# Altium PCB 外设连接基座PCB图3_.PcbDoc (part 2 of 2)
Units mm, origin at the board's own origin, x right, y up, seen from the top; angles counter-clockwise.
Board outline 24.71 x 45.42 mm, 4 copper layers (Top Layer, PWR, GND, Bottom Layer), stack 0.603 mm thick; 61 components, 77 nets, 305 pads, 147 vias.
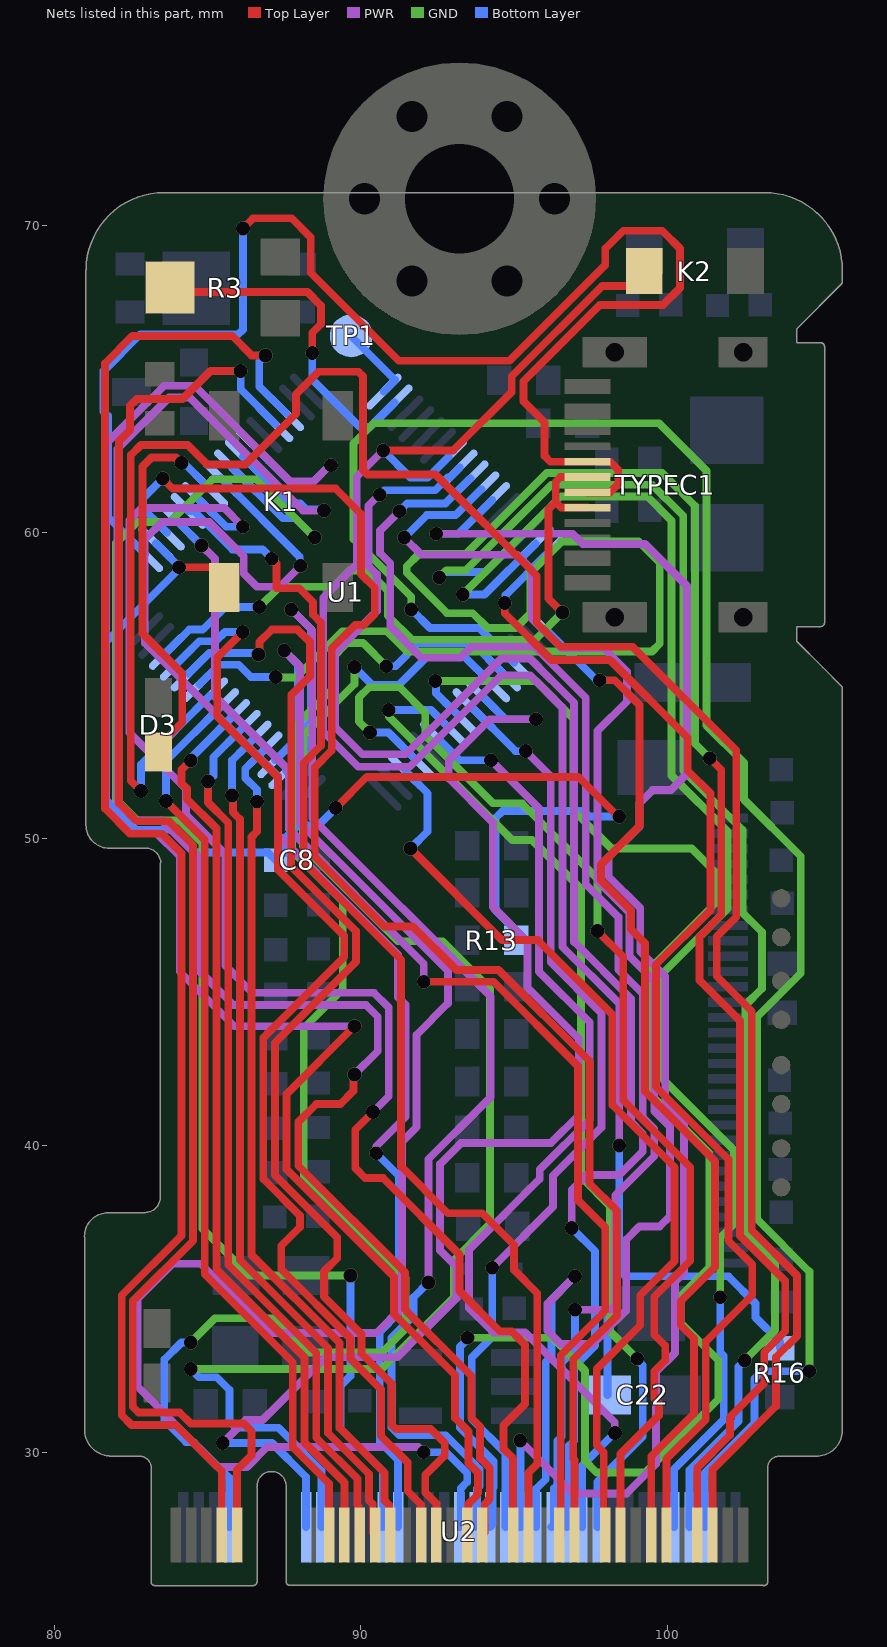
[diagram p4: the nets of this part, all layers, seen from the top]

## Via types
v1: diameter 0.45, hole 0.45, Top Layer to Bottom Layer, tented both sides, 145 vias
v2: diameter 0.65, hole 0.65, Top Layer to Bottom Layer, tented both sides, 2 vias

## Nets (pads, with @x,y where several pads share a name; then routed paths per layer and width w, separated by ;. In a path a pad name is that pad's centre, name@x,y a point inside that pad or via, vN(x,y) a via of type N, cw(c..) or ccw(c..) an arc to the next point about the centre after c; other vN are vias at no path point) (continued)
PA0: U1.14 U2.8 | length 48.8
  GND w0.254: v1(92.558,58.522) 92.786,58.75 93.421,58.75 96.215,61.544 99.492,61.544 100.508,60.528 100.508,52.222 102.438,50.292 102.438,47.6 103.073,46.965 103.073,45.114 102.54,44.58 102.54,37.211 103.505,36.246 103.505,33.985 v1(102.514,32.995)
  Bottom Layer w0.254: v1(92.558,58.522) 92.735,58.699 94.059,58.699 U1.14@95.343,59.983 ; U2.8@100.714,27.559 100.714,29.417 102.311,31.014 102.311,32.791 v1(102.514,32.995)
PA1: U1.15 U2.10 | length 47.8
  GND w0.254: v1(93.32,57.963) 96.52,61.163 99.334,61.163 100.127,60.37 100.127,52.065 101.956,50.236 101.956,47.727 99.873,45.644 99.873,42.139 102.159,39.853 102.159,37.44 101.714,36.995 v1(101.714,35.052)
  Bottom Layer w0.254: v1(93.32,57.963) 94.03,57.963 U1.15@95.697,59.63 ; U2.10@100.214,27.559 100.214,29.456 101.829,31.07 101.829,33.147 101.714,33.262 v1(101.714,35.052)
PA2: U1.16 U2.11 | length 39.6
  Top Layer w0.254: v1(94.691,57.683) 94.691,57.353 96.215,55.829 98.12,55.829 100.66,53.289 100.66,52.222 101.397,51.486 101.397,47.67 99.619,45.892 99.619,41.915 101.981,39.553 101.981,36.901 102.759,36.123 102.759,35.121 101.244,33.606 101.244,31.064 99.964,29.784 U2.11@99.964,27.305
  Bottom Layer w0.254: v1(94.691,57.683) 94.719,57.711 94.719,57.945 U1.16@96.05,59.276
PA3: U1.17 U2.13 | length 34.4
  Top Layer w0.254: v1(97.79,55.169) 98.278,55.169 99.085,54.361 99.085,50.419 97.828,49.162 97.828,48.649 98.806,47.671 98.806,47.05 99.263,46.593 99.263,41.768 101.549,39.482 101.549,36.043 100.432,34.925 100.432,34.138 100.863,33.706 100.863,31.267 99.464,29.868 U2.13@99.464,27.305
  Bottom Layer w0.254: U1.17@96.05,56.802 97.655,55.197 97.762,55.197 v1(97.79,55.169)
PA4: U1.20 U2.6 | length 62
  GND w0.254: v1(91.643,57.48) 91.643,57.887 89.764,59.766 89.764,62.89 90.424,63.551 99.72,63.551 101.27,62.001 101.27,53.696 102.489,52.476 102.489,51.283 104.343,49.428 104.343,45.622 102.921,44.199 102.921,37.592 104.623,35.89 v1(104.623,32.639)
  Bottom Layer w0.254: v1(91.643,57.48) 92.253,56.871 93.86,56.871 U1.20@94.99,55.741 ; U2.6@101.214,27.559 101.214,29.332 102.831,30.949 102.831,32.397 103.073,32.639 v1(104.623,32.639)
PA5: U1.21 U2.68 | length 47.5
  GND w0.254: v1(84.455,33.579) 85.242,34.366 87.224,34.366 88.341,33.249 90.678,33.249 91.465,34.036 91.465,35.692 88.138,39.02 88.138,43.828 89.408,45.098 89.408,47.96 87.757,49.611 87.757,53.569 89.052,54.864 89.052,55.88 89.56,56.388 90.068,56.388 v1(90.83,55.626)
  Bottom Layer w0.254: v1(84.455,33.579) 84.15,33.579 83.591,33.02 83.591,31.039 84.303,30.328 84.557,30.328 85.714,29.17 U2.68@85.714,27.559 ; v1(90.83,55.626) 91.13,55.626 91.892,56.388 93.636,56.388 U1.21@94.636,55.388
PA6: U1.22 U2.56 | length 48.3
  GND w0.254: v1(84.455,32.715) 90.683,32.715 93.04,35.072 93.04,36.271 94.209,37.44 94.209,45.11 92.659,46.66 91.211,46.66 88.113,49.759 88.113,53.365 89.789,55.042 v1(89.789,55.601)
  Bottom Layer w0.254: v1(84.455,32.715) 84.722,32.448 85.303,32.448 85.714,32.038 85.714,30.999 85.916,30.797 87.313,30.797 88.714,29.396 U2.56@88.714,27.559 ; v1(89.789,55.601) 90.374,55.015 91.236,55.015 92.227,56.007 93.309,56.007 U1.22@94.283,55.034
PA7: U1.23 U2.58 | length 43
  PWR w0.254: v1(85.496,30.302) 86.246,31.051 86.804,31.051 88.849,33.096 91.186,33.096 93.116,35.027 93.116,36.043 92.583,36.576 92.583,39.395 93.269,40.081 96.195,40.081 97.104,40.99 97.104,43.485 95.428,45.161 95.428,46.66 94.31,47.777 94.31,50.521 92.862,51.968 92.862,52.553 94.209,53.899 v1(95.707,53.899)
  Bottom Layer w0.254: v1(85.496,30.302) 87.1,30.302 88.214,29.189 U2.58@88.214,27.559 ; U1.23@93.929,54.68 93.932,54.68 94.713,53.899 v1(95.707,53.899)
PA8: U1.41 U2.55 | length 30
  Top Layer w0.254: v1(83.642,51.232) 84.912,49.962 84.912,35.8 87.782,32.93 87.782,30.159 88.964,28.977 U2.55@88.964,27.305
  Bottom Layer w0.254: v1(83.642,51.232) 83.642,52.525 U1.41@85.444,54.327
PA9: U1.42 U2.5 | length 72.8
  Top Layer w0.254: v1(82.829,51.562) 82.499,51.892 82.499,62.509 82.829,62.84 84.353,62.84 84.988,62.205 86.233,62.205 87.884,63.856 87.884,64.491 88.621,65.227 89.92,65.227 90.068,65.078 90.068,62.023 90.217,61.874 92.431,61.874 95.733,58.572 95.733,57.048 96.52,56.261 98.857,56.261 102.235,52.883 102.235,47.451 101.6,46.816 101.6,45.517 102.743,44.374 102.743,37.236 104.216,35.763 104.216,33.787 103.53,33.102 103.53,31.499 101.464,29.433 U2.5@101.464,27.305
  Bottom Layer w0.254: v1(82.829,51.562) 82.829,52.419 U1.42@85.091,54.68 U1.42@85.094,54.68
PA10: U1.43 U2.7 | length 78.2
  Top Layer w0.254: U2.7@100.964,27.305 100.964,29.489 102.032,30.556 102.032,31.14 103.149,32.258 103.149,33.259 103.835,33.945 103.835,35.585 102.362,37.059 102.362,44.069 101.041,45.39 101.041,46.812 101.752,47.523 101.752,52.248 v1(101.371,52.629)
  GND w0.254: v1(87.224,55.27) 87.232,55.262 87.895,55.262 89.403,56.769 90.85,56.769 91.511,56.109 99.492,56.109 99.746,56.363 99.746,59.004 99.061,59.689 96.545,59.689 95.529,58.674 95.529,57.353 95.047,56.871 94.132,56.871 93.65,57.353 92.812,57.353 91.494,58.67 91.494,58.881 91.897,59.284 93.416,59.284 96.057,61.925 99.822,61.925 100.889,60.858 100.889,53.111 v1(101.371,52.629)
  Bottom Layer w0.254: U1.43@84.737,55.034 84.74,55.034 85.383,55.677 86.015,55.677 86.421,55.27 v1(87.224,55.27)
PA11: U1.44 U2.41 | length 40
  Top Layer w0.254: v1(86.665,56.007) 86.693,56.035 86.693,56.42 87.093,56.82 87.935,56.82 88.341,56.413 88.341,55.296 87.732,54.686 87.732,49.098 89.84,46.99 89.84,45.988 87.198,43.347 87.198,39.036 89.23,37.004 89.23,36.324 88.798,35.892 88.798,35.075 90.018,33.856 90.018,33.223 91.008,32.233 91.008,30.893 91.142,30.759 92.278,30.759 92.735,30.302 92.735,29.896 92.1,29.261 92.1,28.689 92.464,28.326 U2.41@92.464,27.305
  Bottom Layer w0.254: U1.44@84.384,55.388 84.386,55.388 85.057,56.058 86.574,56.058 86.625,56.007 v1(86.665,56.007)
PA12: U1.45 U2.43 | length 37.8
  Top Layer w0.254: v1(86.151,56.744) 85.319,55.911 85.319,53.985 87.3,52.004 87.3,48.991 89.459,46.832 89.459,46.146 86.817,43.505 86.817,38.913 88.011,37.719 88.011,37.338 87.401,36.728 87.401,35.969 89.662,33.708 89.662,33.045 90.653,32.055 90.653,30.543 91.531,29.665 91.531,28.725 91.964,28.292 U2.43@91.964,27.305
  Bottom Layer w0.254: U1.45@84.03,55.741 84.033,55.741 84.731,56.439 85.269,56.439 85.57,56.74 86.148,56.74 v1(86.151,56.744)
PA15: C8.2 K1.1 R13.1 U1.50 | length 39.6
  Top Layer w0.254: v1(84.074,58.852) 85.174,58.852 85.547,58.479 K1.1@85.547,58.191 ; v1(89.179,51.003) 90.195,52.019 97.09,52.019 98.385,50.724 v1(98.425,50.724)
  Bottom Layer w0.254: U1.50@83.323,59.63 83.326,59.63 84.114,58.841 81.661,56.388 81.661,51.308 82.677,50.292 83.896,50.292 84.633,49.555 86.97,49.555 C8.2@87.224,49.301 87.478,49.555 87.538,49.555 87.538,50.028 87.955,50.444 88.621,50.444 v1(89.179,51.003) ; R13.1@95.071,46.698 95.071,46.991 94.386,47.676 94.386,50.673 94.615,50.902 97.282,50.902 97.46,50.724 v1(98.425,50.724)
PB0: U1.26 U2.20 | length 33.3
  GND w0.254: v1(90.907,54.204) 90.907,53.988 94.932,49.962 95.58,49.962 97.18,48.362 97.18,38.964 98.12,38.024 98.12,33.934 v1(99.009,33.045)
  Bottom Layer w0.254: v1(90.907,54.204) 92.284,54.204 U1.26@92.868,53.62 ; U2.20@97.714,27.559 97.714,29.032 99.187,30.505 99.187,32.828 99.009,33.006 v1(99.009,33.045)
PB1: U1.27 U2.22 | length 33
  PWR w0.254: v1(94.242,52.562) 95.809,50.996 95.809,45.669 97.46,44.018 97.46,40.843 95.834,39.218 95.834,38.913 93.523,36.601 93.523,34.709 94.323,33.909 95.352,33.909 98.28,30.98 v1(98.28,30.632)
  Bottom Layer w0.254: U1.27@92.515,53.266 92.518,53.266 93.222,52.562 v1(94.242,52.562) ; U2.22@97.214,27.559 97.214,29.566 v1(98.28,30.632)
PB3: D3.K U1.55 | length 12.9
  Top Layer w0.254: D3.K@83.401,52.832 83.401,53.023 84.176,53.797 84.176,55.397 82.88,56.693 82.88,62.14 83.174,62.433 83.972,62.433 v1(84.15,62.255)
  Bottom Layer w0.254: v1@84.19,62.295 85.088,61.397 U1.55@85.091,61.397
PB4: U1.56 U2.46 | length 47.7
  PWR w0.254: v1(88.036,58.903) 87.351,58.217 86.614,58.217 86.182,58.649 86.182,59.207 85.065,60.325 83.515,60.325 82.956,59.766 82.956,56.388 87.3,52.045 87.3,50.134 91.211,46.223 91.211,44.831 91.463,44.58 91.463,40.942 90.5,39.98 v1(90.5,39.751) v1@90.526,39.726
  Bottom Layer w0.254: U1.56@85.444,61.751 88.008,59.187 88.008,58.931 v1(88.036,58.903) ; v1(90.5,39.751) 91.237,39.014 91.237,34.544 90.613,33.92 90.613,30.347 91.214,29.746 U2.46@91.214,27.559
PB5: U1.57 U2.48 | length 50.5
  GND w0.254: v1(88.494,59.82) 86.591,61.722 85.166,61.722 83.769,60.325 82.702,60.325 82.017,59.639 82.017,51.283 82.702,50.597 84.099,50.597 84.836,49.86 84.836,37.287 86.36,35.763 v1(89.662,35.763)
  Bottom Layer w0.254: U1.57@85.798,62.104 87.45,60.452 87.861,60.452 v1(88.494,59.82) ; v1(89.662,35.763) 89.662,32.49 89.332,32.16 89.332,30.782 90.714,29.4 U2.48@90.714,27.559
PB6: U1.58 U2.35 | length 58.5
  Top Layer w0.254: v1(89.789,42.316) 89.761,42.288 89.761,41.78 89.332,41.351 88.544,41.351 87.96,40.767 87.96,39.345 91.44,35.865 91.44,34.651 93.599,32.492 93.599,31.126 93.888,30.837 93.888,29.799 94.202,29.485 94.202,28.511 94.159,28.468 94.159,28.429 94.04,28.31 94.04,27.381 U2.35@93.964,27.305
  PWR w0.254: v1(88.798,60.706) 88.107,60.706 84.424,64.389 83.744,64.389 82.067,62.713 82.067,51.181 82.652,50.597 83.515,50.597 84.722,49.39 84.722,45.707 85.852,44.577 90.17,44.577 90.551,44.196 90.551,43.078 v1(89.789,42.316)
  Bottom Layer w0.254: U1.58@86.151,62.458 87.675,60.935 88.022,60.935 88.223,60.734 88.77,60.734 v1(88.798,60.706)
PB7: U1.59 U2.37 | length 58.3
  Top Layer w0.254: v1(89.789,43.891) 87.579,41.681 87.579,39.218 91.084,35.712 91.084,34.504 93.066,32.523 93.066,31.12 93.507,30.679 93.507,29.641 93.821,29.327 93.821,28.669 93.778,28.626 93.778,28.587 93.507,28.316 93.507,27.348 U2.37@93.464,27.305
  PWR w0.254: v1(89.027,62.179) 88.987,62.179 88.454,61.646 87.706,61.646 84.582,64.77 83.586,64.77 81.686,62.87 81.686,51.003 82.499,50.19 83.337,50.19 84.099,49.428 84.099,45.669 85.877,43.891 v1(89.789,43.891)
  Bottom Layer w0.254: U1.59@86.505,62.812 86.508,62.812 87.826,61.493 88.302,61.493 88.987,62.179 v1(89.027,62.179)
PB8: U1.61 U2.67 | length 49.3
  Top Layer w0.254: U2.67@85.964,27.305 85.964,29.425 86.436,29.897 86.436,30.683 86.182,30.937 84.452,30.937 84.096,31.293 82.753,31.293 82.563,31.483 82.563,34.932 84.531,36.901 84.531,49.784 83.744,50.571 82.702,50.571 82.118,51.156 82.118,62.967 82.474,63.322 82.474,64.119 82.693,64.338 84.185,64.338 85.099,65.253 v1(86.081,65.253)
  Bottom Layer w0.254: v1(86.081,65.253) 86.081,64.653 87.212,63.522 U1.61@87.212,63.519
PB9: U1.62 U2.69 | length 51
  Top Layer w0.254: U2.69@85.464,27.305 85.464,29.386 83.964,30.886 82.525,30.886 82.207,31.204 82.207,35.115 84.15,37.059 84.15,49.53 83.515,50.165 82.474,50.165 81.661,50.978 81.661,65.507 82.55,66.396 85.801,66.396 86.436,65.761 v1(86.893,65.761)
  Bottom Layer w0.254: v1(86.893,65.761) 86.69,65.557 86.69,64.748 U1.62@87.566,63.872
PB10: U1.29 U2.17 | length 38.1
  Top Layer w0.254: v1(97.714,46.99) 98.552,46.152 98.552,41.473 100.736,39.289 100.736,36.241 99.568,35.072 99.568,33.833 99.924,33.477 99.924,32.995 99.568,32.639 99.568,31.747 99.72,31.595 99.72,31.202 98.464,29.946 U2.17@98.464,27.305
  GND w0.254: v1(90.296,53.467) 89.941,53.821 89.941,54.61 90.272,54.94 91.262,54.94 92.1,54.102 92.1,53.365 94.309,51.157 95.249,51.157 97.714,48.692 v1(97.714,46.99)
  Bottom Layer w0.254: v1(90.296,53.467) 90.9,53.467 U1.29@91.808,52.559
PB11: U1.30 U2.19 | length 30.8
  Top Layer w0.254: v1(91.618,49.682) 94.604,46.697 95.772,46.697 98.196,44.272 98.196,41.326 100.228,39.294 100.228,36.236 99.111,35.118 99.111,34.138 97.688,32.715 97.688,30.226 97.921,29.993 97.921,27.348 U2.19@97.964,27.305
  Bottom Layer w0.254: U1.30@91.454,52.206 91.454,52.203 92.177,51.48 92.177,50.241 v1(91.618,49.682)
PB14: U1.35 U2.36 | length 42
  PWR w0.254: v1(87.732,57.48) 88.417,56.794 88.417,50.673 94.234,44.856 94.234,41.58 93.116,40.462 93.111,40.462 92.202,39.553 v1(92.202,35.535)
  Bottom Layer w0.254: U1.35@87.566,52.206 87.566,52.208 88.187,52.83 88.187,53.721 88.367,53.901 88.367,56.845 v1(87.732,57.48) ; v1(92.202,35.535) 91.718,35.051 91.718,34.453 90.994,33.728 90.994,30.811 91.249,30.556 92.768,30.556 93.878,29.446 93.878,28.903 93.79,28.814 93.79,27.635 U2.36@93.714,27.559
PB15: U1.36 U2.38 | length 55.9
  PWR w0.254: v1(87.503,56.134) 88.011,55.626 88.011,50.521 92.837,45.695 92.837,44.633 91.818,43.615 91.818,40.606 91.338,40.127 91.338,34.722 90.5,33.884 87.02,33.884 86.792,34.112 86.792,34.132 84.78,36.144 83.871,36.144 82.728,35.001 82.728,32.131 85.344,29.515 86.29,29.515 86.951,30.175 91.873,30.175 v1(92.05,29.999)
  Bottom Layer w0.254: U1.36@87.212,52.559 87.212,52.562 87.783,53.132 87.783,53.899 87.953,54.069 87.953,55.684 v1(87.503,56.134) ; v1(92.05,29.999) 92.786,29.999 93.471,29.315 93.471,29.034 93.257,28.82 93.257,27.602 U2.38@93.214,27.559
PC0: U1.8 U2.24 | length 51.5
  PWR w0.254: v1(90.613,61.214) 90.602,61.214 90.246,60.858 90.246,58.903 90.523,58.626 90.523,57.427 89.154,56.058 89.154,53.65 90.046,52.759 91.463,52.759 94.584,55.88 95.509,55.88 96.952,54.438 96.952,46.64 98.806,44.786 98.806,40.767 99.187,40.386 99.187,39.807 98.42,39.04 97.358,39.04 96.876,38.557 v1(96.876,37.313)
  Bottom Layer w0.254: v1(90.613,61.214) 90.765,61.366 92.423,61.366 92.835,61.778 92.896,61.778 U1.8@93.222,62.104 ; U2.24@96.714,27.559 96.757,27.602 96.757,28.742 96.79,28.776 96.79,30.217 96.952,30.378 96.952,32.791 97.638,33.477 97.638,36.551 v1(96.876,37.313)
PC1: U1.9 U2.26 | length 44.6
  PWR w0.254: v1(91.259,60.681) 90.627,60.049 90.627,59.311 90.957,58.98 90.957,56.921 91.973,55.905 93.243,55.905 93.599,56.261 95.667,56.261 97.333,54.595 97.333,48.514 98.4,47.447 98.4,45.731 99.187,44.943 99.187,40.925 99.568,40.544 99.568,39.649 98.298,38.379 98.298,34.773 98.171,34.646 v1(96.977,34.646)
  Bottom Layer w0.254: v1(91.259,60.681) 91.513,60.935 92.759,60.935 U1.9@93.575,61.751 ; U2.26@96.214,27.559 96.29,27.635 96.29,28.814 96.409,28.934 96.409,30.375 96.545,30.511 96.545,32.924 96.977,33.356 v1(96.977,34.646)
PC2: U1.10 U2.28 | length 50.4
  PWR w0.254: v1(91.415,59.82) 91.976,59.258 95.098,59.258 95.58,58.776 95.58,57.175 96.545,56.21 97.917,56.21 98.679,55.448 98.679,54.483 97.714,53.518 97.714,48.636 98.755,47.594 98.755,46.177 99.568,45.364 99.568,41.123 100.076,40.615 100.076,37.694 99.746,37.363 99.085,37.363 98.654,36.932 98.654,34.625 97.556,33.528 96.52,33.528 96.088,33.96 96.088,34.849 v1(96.977,35.738)
  Bottom Layer w0.254: v1(91.415,59.82) 92.149,60.554 93.085,60.554 U1.10@93.929,61.397 ; U2.28@95.714,27.559 95.714,28.81 96.028,29.125 96.028,32.945 96.214,33.131 96.214,34.975 v1(96.977,35.738)
PC3: U1.11 U2.30 | length 51
  PWR w0.254: v1(92.456,59.944) 96.901,59.944 97.231,59.614 99.263,59.614 100.635,58.242 100.635,52.121 100.101,51.587 99.517,51.587 99.085,51.156 99.085,50.394 98.069,49.378 98.069,48.783 99.111,47.742 99.111,46.324 99.924,45.512 99.924,41.326 100.533,40.716 100.533,35.848 100.241,35.556 100.241,33.236 99.619,32.614 99.619,29.614 98.656,28.651 96.926,28.651 v1(95.199,30.378)
  Bottom Layer w0.254: v1(92.456,59.944) 93.183,59.944 U1.11@94.283,61.044 ; v1(95.199,30.378) 95.207,30.371 95.207,27.566 U2.30@95.214,27.559
PC4: U1.24 U2.32 | length 30.9
  PWR w0.254: v1(94.283,36.017) 96.266,38.001 96.266,39.014 97.841,40.589 97.841,44.323 96.19,45.974 96.19,52.045 v1(95.377,52.857)
  Bottom Layer w0.254: U1.24@93.575,54.327 95.045,52.857 v1(95.377,52.857) ; v1(94.283,36.017) 94.283,33.76 94.143,33.62 93.613,33.09 93.613,31.076 94.714,29.975 U2.32@94.714,27.559
PC5: U1.25 U2.34 | length 54.1
  GND w0.254: v1(92.423,55.143) 95.707,55.143 96.926,53.924 96.926,50.927 98.171,49.682 100.787,49.682 101.556,48.913 101.556,47.897 99.517,45.858 99.517,41.605 101.358,39.764 101.358,36.03 100.432,35.103 100.432,34.214 101.651,32.995 101.651,31.725 99.263,29.337 97.688,29.337 97.307,29.718 97.307,32.664 96.241,33.731 v1(93.472,33.731)
  Bottom Layer w0.254: v1(92.423,55.143) 92.451,55.115 92.451,54.747 93.222,53.976 U1.25@93.222,53.973 ; v1(93.472,33.731) 93.472,33.678 93.232,33.438 93.232,30.798 94.333,29.697 94.333,28.857 94.29,28.814 94.29,27.635 U2.34@94.214,27.559
PC6: U1.37 U2.47 | length 28
  Top Layer w0.254: v1(86.616,51.206) 86.616,50.241 86.436,50.061 86.436,36.431 89.306,33.561 89.306,30.79 90.769,29.328 90.769,28.43 90.921,28.278 90.921,27.348 U2.47@90.964,27.305
  Bottom Layer w0.254: v1(86.616,51.206) 86.616,51.599 86.233,51.983 86.233,52.284 86.858,52.91 U1.37@86.858,52.913
PC7: U1.38 U2.49 | length 28.2
  Top Layer w0.254: v1(85.801,51.41) 85.829,51.382 85.829,50.869 86.055,50.642 86.055,36.273 88.925,33.403 88.925,30.632 90.269,29.289 90.269,28.429 90.388,28.31 90.388,27.381 U2.49@90.464,27.305
  Bottom Layer w0.254: v1(85.801,51.41) 85.801,52.56 86.505,53.263 U1.38@86.505,53.266
PC8: U1.39 U2.51 | length 28.8
  Top Layer w0.254: v1(85.014,51.867) 85.014,51.181 85.674,50.521 85.674,36.116 88.544,33.245 88.544,30.474 89.888,29.131 89.888,28.271 89.921,28.238 89.921,27.348 U2.51@89.964,27.305
  Bottom Layer w0.254: v1(85.014,51.867) 85.192,52.045 85.192,52.66 U1.39@86.151,53.62
PC9: U1.40 U2.53 | length 29.7
  Top Layer w0.254: v1(84.455,52.553) 84.15,52.248 84.15,51.816 84.328,51.638 84.328,51.299 85.293,50.334 85.293,35.958 88.163,33.088 88.163,30.317 89.464,29.016 U2.53@89.464,27.305
  Bottom Layer w0.254: v1(84.455,52.553) 84.38,52.553 85.798,53.97 U1.40@85.798,53.973
PC10: U1.51 U2.23 | length 49.8
  Top Layer w0.254: v1(83.541,61.747) 83.871,61.417 89.179,61.417 90.001,60.595 90.001,58.633 90.449,58.185 90.449,57.328 90.094,56.972 89.814,56.972 89.052,56.21 89.052,52.883 88.494,52.324 88.494,49.413 90.765,47.142 91.694,47.142 93.116,45.72 94.488,45.72 97.449,42.759 97.449,38.771 98.349,37.871 98.349,34.453 96.926,33.031 96.926,29.789 96.964,29.751 U2.23@96.964,27.305
  Bottom Layer w0.254: v1(83.541,61.747) 82.906,61.112 82.906,60.757 83.676,59.986 U1.51@83.676,59.983
PC11: U1.52 U2.25 | length 40.7
  Top Layer w0.254: v1(92.05,45.339) 94.33,45.339 97.079,42.59 97.079,38.214 97.968,37.325 97.968,34.611 96.515,33.158 U2.25@96.515,27.305
  PWR w0.254: v1(84.807,59.563) 85.242,59.127 85.242,54.641 87.655,52.228 87.655,50.317 92.05,45.923 v1(92.05,45.339)
  Bottom Layer w0.254: U1.52@84.03,60.337 84.033,60.337 v1(84.807,59.563)
PC12: U1.53 U2.29 | length 40.4
  Top Layer w0.254: v1(87.097,59.131) 87.249,58.979 87.249,58.166 87.986,58.166 88.443,57.709 88.443,57.302 88.697,57.048 88.697,53.03 88.138,52.471 88.138,49.23 91.313,46.055 91.313,39.319 92.837,37.795 93.955,37.795 94.996,36.754 94.996,35.941 95.753,35.184 95.753,29.618 95.464,29.329 U2.29@95.464,27.305
  Bottom Layer w0.254: U1.53@84.384,60.69 84.552,60.69 85.806,59.436 86.792,59.436 v1(87.097,59.131)
PC13: R3.2 U1.2 | length 11.4
  Top Layer w0.254: R3.2@83.773,67.97 83.919,67.824 88.259,67.824 88.697,67.386 88.697,66.772 88.417,66.493 v1(88.417,65.839)
  Bottom Layer w0.254: v1(88.417,65.839) 88.417,64.973 89.967,63.424 90.296,63.424 91.098,64.226 U1.2@91.101,64.226
PD2: U1.54 U2.31 | length 48.5
  Top Layer w0.254: v1(90.399,41.097) 89.814,40.513 89.814,39.268 90.145,38.938 90.729,38.938 93.218,36.449 93.218,35.255 94.528,33.945 94.909,33.945 95.352,33.503 95.352,31.572 94.65,30.871 94.65,30.115 94.964,29.801 U2.31@94.964,27.305
  PWR w0.254: v1(86.151,60.173) 85.542,60.782 82.855,60.782 82.448,60.376 82.448,53.467 84.303,51.613 84.303,50.775 85.585,49.492 85.585,45.86 86.462,44.983 90.424,44.983 90.907,44.501 90.907,41.605 v1(90.399,41.097)
  Bottom Layer w0.254: U1.54@84.737,61.044 85.608,60.173 v1(86.151,60.173)
RESET: C22.2 K2.1 R16.1 U1.7 | length 64
  Top Layer w0.254: v1(90.729,62.662) 93.015,62.662 94.92,64.567 94.92,65.075 97.866,68.021 98.755,68.021 K2.1@99.238,68.504
  PWR w0.254: v1(90.729,62.662) 89.865,61.798 89.865,58.953 88.773,57.861 88.773,53.492 89.916,52.349 91.592,52.349 94.577,55.334 95.517,55.334 96.571,54.28 96.571,46.482 98.425,44.628 v1(98.425,40.005)
  Bottom Layer w0.254: v1(90.729,62.662) 91.618,61.773 92.18,61.773 92.865,62.458 U1.7@92.868,62.458 ; C22.2@98.044,31.867 98.044,35.56 98.425,35.941 ; v1(98.425,40.005) 98.425,35.941 ; R16.1@103.661,33.396 103.661,33.601 102.867,34.394 102.867,34.851 101.981,35.738 98.628,35.738 98.425,35.941
SWCLK: TYPEC1.A6 TYPEC1.B6 U1.49 | length 48.8
  Top Layer w0.254: v1(86.157,69.901) 86.487,70.231 87.741,70.231 88.367,69.606 88.367,68.453 91.237,65.583 94.844,65.583 97.968,68.707 97.968,69.24 98.552,69.825 99.822,69.825 100.403,69.244 100.403,67.959 99.846,67.403 97.787,67.403 95.301,64.917 95.301,64.262 95.987,63.576 95.987,62.484 96.176,62.295 97.389,62.295 97.393,62.292 98.127,62.292 98.394,62.024 98.394,61.565 98.124,61.294 TYPEC1.A6@97.39,61.294
  Bottom Layer w0.254: U1.49@82.969,59.276 81.763,60.483 81.763,63.779 81.61,63.932 81.61,65.253 82.804,66.446 86.004,66.446 86.157,66.599 v1(86.157,69.901)
SWDIO: TYPEC1.A7 TYPEC1.B7 U1.46 | length 22.5
  Top Layer w0.254: v1(96.571,57.379) 96.114,57.836 96.114,60.736 96.352,60.975 ; TYPEC1.B7@97.39,60.794 97.388,60.797 96.531,60.797 96.352,60.975 ; TYPEC1.A7@97.39,61.794 97.388,61.792 96.501,61.792 96.352,61.643 96.352,60.975
  GND w0.254: v1(86.69,57.556) 87.351,58.217 89.103,58.217 89.63,58.744 90.227,58.744 90.881,58.09 90.881,57.277 91.669,56.49 95.682,56.49 v1(96.571,57.379)
  Bottom Layer w0.254: U1.46@83.676,56.095 83.679,56.095 84.404,56.82 84.84,56.82 85.576,57.556 v1(86.69,57.556)
VB: TP1.1 U1.1 | length 2.6
  Bottom Layer w0.254: TP1.1@89.687,66.396 89.687,66.387 91.12,64.955 91.12,64.952 U1.1@90.747,64.579
pads on no net: *1.1 J1.0 J1.7 K1.2 K1.4 TYPEC1.1 TYPEC1.2 TYPEC1.3 TYPEC1.4 TYPEC1.A5 TYPEC1.A8 TYPEC1.B5 TYPEC1.B8
copper on no net:
  other v2: 98.78,58.654 98.78,64.434

## Polygon pours and split planes (outlines as drawn)
3V3 on PWR "Top Layer-No Net" (solid, pour order 5): 81.781,29.885 ccw(c81.837,29.999) 81.837,29.872 82.789,29.872 cw(c82.789,29.499) 83.161,29.518 ccw(c83.287,29.497) 83.159,29.497 83.159,25.781 ccw(c83.287,25.781) 83.304,25.655 86.489,25.655 ccw(c86.489,25.782) 86.616,25.782 86.616,28.829 ccw(c86.489,28.829) 86.611,28.864 ccw(c86.489,28.899) 86.616,28.899 cw(c87.089,28.899) 87.089,29.372 cw(c87.089,28.899) 87.562,28.899 87.562,25.784 ccw(c87.689,25.784) 87.689,25.656 103.113,25.656 ccw(c103.14,25.781) 103.267,25.781 103.267,29.463 ccw(c103.14,29.463) 103.266,29.485 ccw(c103.139,29.499) 103.266,29.499 cw(c103.639,29.499) 103.639,29.872 104.837,29.872 cw(c104.854,30.719) 104.836,29.872 104.837,29.872 ccw(c104.854,30.719) 105.701,30.701 ccw(c105.573,30.703) 105.701,30.703 105.701,54.895 ccw(c105.573,54.895) 105.663,54.985 105.664,54.985 105.064,55.584 ccw(c104.973,55.495) 105.063,55.585 ccw(c104.973,55.495) 105.063,55.585 105.064,55.584 104.208,56.441 104.208,56.917 104.989,56.917 ccw(c104.989,57.045) 105.117,57.045 105.117,66.044 ccw(c104.989,66.044) 104.989,66.171 104.208,66.171 104.208,66.622 105.664,68.078 105.663,68.078 ccw(c105.573,68.168) 105.701,68.168 105.701,68.529 ccw(c103.16,68.529) 103.16,71.07 83.584,71.07 ccw(c83.584,68.526) 81.041,68.562 ccw(c81.166,68.539) 81.038,68.539 81.038,50.446 ccw(c81.793,50.446) 81.793,49.692 ccw(c81.793,49.819) 81.804,49.693 ccw(c81.805,49.82) 81.805,49.693 82.962,49.693 ccw(c82.962,49.82) 82.992,49.696 cw(c82.969,49.189) 83.474,49.239 ccw(c83.591,49.189) 83.464,49.189 83.464,38.323 cw(c82.956,38.323) 82.967,37.815 ccw(c82.969,37.688) 82.918,37.805 81.75,37.805 ccw(c81.75,37.042) 80.988,37.042 ccw(c81.115,37.042) 80.994,37.001 80.994,30.746 cw(c81.841,30.73) 80.994,30.748 80.994,30.746 ccw(c81.841,30.73)
5V on GND "Top Layer-No Net1" (solid, pour order 6): 81.781,29.885 ccw(c81.837,29.999) 81.837,29.872 82.789,29.872 cw(c82.789,29.499) 83.161,29.518 ccw(c83.287,29.497) 83.159,29.497 83.159,25.781 ccw(c83.287,25.781) 83.304,25.655 86.489,25.655 ccw(c86.489,25.782) 86.616,25.782 86.616,28.829 ccw(c86.489,28.829) 86.611,28.864 ccw(c86.489,28.899) 86.616,28.899 cw(c87.089,28.899) 87.089,29.372 cw(c87.089,28.899) 87.562,28.899 87.562,25.784 ccw(c87.689,25.784) 87.689,25.656 103.113,25.656 ccw(c103.14,25.781) 103.267,25.781 103.267,29.463 ccw(c103.14,29.463) 103.266,29.485 ccw(c103.139,29.499) 103.266,29.499 cw(c103.639,29.499) 103.639,29.872 104.837,29.872 cw(c104.854,30.719) 104.836,29.872 104.837,29.872 ccw(c104.854,30.719) 105.701,30.701 ccw(c105.573,30.703) 105.701,30.703 105.701,54.895 ccw(c105.573,54.895) 105.663,54.985 105.664,54.985 105.064,55.584 ccw(c104.973,55.495) 105.063,55.585 ccw(c104.973,55.495) 105.063,55.585 105.064,55.584 104.208,56.441 104.208,56.917 104.989,56.917 ccw(c104.989,57.045) 105.117,57.045 105.117,66.044 ccw(c104.989,66.044) 104.989,66.171 104.208,66.171 104.208,66.622 105.664,68.078 105.663,68.078 ccw(c105.573,68.168) 105.701,68.168 105.701,68.529 ccw(c103.16,68.529) 103.16,71.07 83.584,71.07 ccw(c83.584,68.526) 81.041,68.562 ccw(c81.166,68.539) 81.038,68.539 81.038,50.446 ccw(c81.793,50.446) 81.793,49.692 ccw(c81.793,49.819) 81.804,49.693 ccw(c81.805,49.82) 81.805,49.693 82.962,49.693 ccw(c82.962,49.82) 82.992,49.696 cw(c82.969,49.189) 83.474,49.239 ccw(c83.591,49.189) 83.464,49.189 83.464,38.323 cw(c82.956,38.323) 82.967,37.815 ccw(c82.969,37.688) 82.918,37.805 81.75,37.805 ccw(c81.75,37.042) 80.988,37.042 ccw(c81.115,37.042) 80.994,37.001 80.994,30.746 cw(c81.841,30.73) 80.994,30.748 80.994,30.746 ccw(c81.841,30.73)
GND on Bottom Layer "Top Layer-No Net2" (solid, pour order 7): 81.781,29.885 ccw(c81.837,29.999) 81.837,29.872 82.789,29.872 cw(c82.789,29.499) 83.161,29.518 ccw(c83.287,29.497) 83.159,29.497 83.159,25.781 ccw(c83.287,25.781) 83.304,25.655 86.489,25.655 ccw(c86.489,25.782) 86.616,25.782 86.616,28.829 ccw(c86.489,28.829) 86.611,28.864 ccw(c86.489,28.899) 86.616,28.899 cw(c87.089,28.899) 87.089,29.372 cw(c87.089,28.899) 87.562,28.899 87.562,25.784 ccw(c87.689,25.784) 87.689,25.656 103.113,25.656 ccw(c103.14,25.781) 103.267,25.781 103.267,29.463 ccw(c103.14,29.463) 103.266,29.485 ccw(c103.139,29.499) 103.266,29.499 cw(c103.639,29.499) 103.639,29.872 104.837,29.872 cw(c104.854,30.719) 104.836,29.872 104.837,29.872 ccw(c104.854,30.719) 105.701,30.701 ccw(c105.573,30.703) 105.701,30.703 105.701,54.895 ccw(c105.573,54.895) 105.663,54.985 105.664,54.985 105.064,55.584 ccw(c104.973,55.495) 105.063,55.585 ccw(c104.973,55.495) 105.063,55.585 105.064,55.584 104.208,56.441 104.208,56.917 104.989,56.917 ccw(c104.989,57.045) 105.117,57.045 105.117,66.044 ccw(c104.989,66.044) 104.989,66.171 104.208,66.171 104.208,66.622 105.664,68.078 105.663,68.078 ccw(c105.573,68.168) 105.701,68.168 105.701,68.529 ccw(c103.16,68.529) 103.16,71.07 83.584,71.07 ccw(c83.584,68.526) 81.041,68.562 ccw(c81.166,68.539) 81.038,68.539 81.038,50.446 ccw(c81.793,50.446) 81.793,49.692 ccw(c81.793,49.819) 81.804,49.693 ccw(c81.805,49.82) 81.805,49.693 82.962,49.693 ccw(c82.962,49.82) 82.992,49.696 cw(c82.969,49.189) 83.474,49.239 ccw(c83.591,49.189) 83.464,49.189 83.464,38.323 cw(c82.956,38.323) 82.967,37.815 ccw(c82.969,37.688) 82.918,37.805 81.75,37.805 ccw(c81.75,37.042) 80.988,37.042 ccw(c81.115,37.042) 80.994,37.001 80.994,30.746 cw(c81.841,30.73) 80.994,30.748 80.994,30.746 ccw(c81.841,30.73)
GND on Top Layer "Top Layer-No Net3" (solid, pour order 8): 81.781,29.885 ccw(c81.837,29.999) 81.837,29.872 82.789,29.872 cw(c82.789,29.499) 83.161,29.518 ccw(c83.287,29.497) 83.159,29.497 83.159,25.781 ccw(c83.287,25.781) 83.304,25.655 86.489,25.655 ccw(c86.489,25.782) 86.616,25.782 86.616,28.829 ccw(c86.489,28.829) 86.611,28.864 ccw(c86.489,28.899) 86.616,28.899 cw(c87.089,28.899) 87.089,29.372 cw(c87.089,28.899) 87.562,28.899 87.562,25.784 ccw(c87.689,25.784) 87.689,25.656 103.113,25.656 ccw(c103.14,25.781) 103.267,25.781 103.267,29.463 ccw(c103.14,29.463) 103.266,29.485 ccw(c103.139,29.499) 103.266,29.499 cw(c103.639,29.499) 103.639,29.872 104.837,29.872 cw(c104.854,30.719) 104.836,29.872 104.837,29.872 ccw(c104.854,30.719) 105.701,30.701 ccw(c105.573,30.703) 105.701,30.703 105.701,54.895 ccw(c105.573,54.895) 105.663,54.985 105.664,54.985 105.064,55.584 ccw(c104.973,55.495) 105.063,55.585 ccw(c104.973,55.495) 105.063,55.585 105.064,55.584 104.208,56.441 104.208,56.917 104.989,56.917 ccw(c104.989,57.045) 105.117,57.045 105.117,66.044 ccw(c104.989,66.044) 104.989,66.171 104.208,66.171 104.208,66.622 105.664,68.078 105.663,68.078 ccw(c105.573,68.168) 105.701,68.168 105.701,68.529 ccw(c103.16,68.529) 103.16,71.07 83.584,71.07 ccw(c83.584,68.526) 81.041,68.562 ccw(c81.166,68.539) 81.038,68.539 81.038,50.446 ccw(c81.793,50.446) 81.793,49.692 ccw(c81.793,49.819) 81.804,49.693 ccw(c81.805,49.82) 81.805,49.693 82.962,49.693 ccw(c82.962,49.82) 82.992,49.696 cw(c82.969,49.189) 83.474,49.239 ccw(c83.591,49.189) 83.464,49.189 83.464,38.323 cw(c82.956,38.323) 82.967,37.815 ccw(c82.969,37.688) 82.918,37.805 81.75,37.805 ccw(c81.75,37.042) 80.988,37.042 ccw(c81.115,37.042) 80.994,37.001 80.994,30.746 cw(c81.841,30.73) 80.994,30.748 80.994,30.746 ccw(c81.841,30.73)

## Silkscreen, mask and mechanical layers (free items; w line width, h text height)
Top Overlay:
  lines w0.254: 81.115,37.042 cw(c81.75,37.042) 81.75,37.677 82.958,37.677 ; 81.122,37.035 81.122,36.52 81.122,30.745 ccw(c81.841,30.73) 81.826,30.01 ; 81.166,68.539 81.166,50.446 ccw(c81.793,50.446) 81.793,49.819 ; 81.168,68.537 cw(c83.584,68.526) 83.584,70.942 103.16,70.942 cw(c103.16,68.529) 105.573,68.529 105.573,68.168 104.08,66.675 104.08,56.388 104.973,55.495 105.573,54.895 105.573,30.703 cw(c104.854,30.719) 104.838,29.999 103.639,29.999 ccw(c103.639,29.499) 103.139,29.499 ; 81.805,49.82 82.962,49.82 ; 81.837,29.999 82.789,29.999 cw(c82.789,29.499) 83.289,29.499 ; 82.969,37.688 ccw(c82.956,38.323) 83.591,38.323 83.591,49.189 ; 82.969,49.824 cw(c82.969,49.189) 83.604,49.189 ; 83.287,25.781 83.287,29.497 ; 83.288,25.782 86.489,25.782 86.489,28.829 ; 86.489,28.899 cw(c87.089,28.899) 87.089,29.499 cw(c87.089,28.899) 87.689,28.899 87.689,25.784 103.137,25.784 ; 103.14,25.781 103.14,29.463 ; 84.836,31.369 84.836,55.499 101.671,55.499 101.671,31.369 84.836,31.369
  text "arm奶茶鸭" at 94.183,49.936 h3.05 r270
  text "-" at 102.743,47.712 h1.14 r90
  text "B0" at 102.718,44.933 h1.14 r90
  text "+" at 102.46,44.514 h1.14 r180
  text "+" at 102.46,43.039 h1.14 r180
  text "B1" at 102.692,40.126 h1.14 r90
  text "-" at 102.794,38.395 h1.14 r90
Bottom Overlay:
  text "VB" at 92.253,65.481 h1.14
Top Solder:
  text "超级V3" at 93.65,63.487 h1.52 r270
Mechanical 1:
  lines w0.127: 104.989,66.171 cw(c104.989,66.044) 105.117,66.044 105.117,57.045 cw(c104.989,57.045) 104.989,56.917 104.208,56.917 104.208,56.441 105.064,55.584 ; 104.989,66.171 104.208,66.171 104.208,66.622 105.664,68.078 105.663,68.078 ccw(c105.573,68.168) 105.701,68.168 105.701,68.529 ccw(c103.16,68.529) 103.16,71.07 83.584,71.07 ccw(c83.584,68.526) 81.041,68.562 ; 80.994,30.746 ccw(c81.841,30.73) 81.781,29.885 ccw(c81.837,29.999) 81.837,29.872 82.789,29.872 cw(c82.789,29.499) 83.161,29.518 ccw(c83.287,29.497) 83.159,29.497 83.159,25.781 ccw(c83.287,25.781) 83.304,25.655 86.489,25.655 ccw(c86.489,25.782) 86.616,25.782 86.616,28.829 ccw(c86.489,28.829) 86.611,28.864 ccw(c86.489,28.899) 86.616,28.899 cw(c87.089,28.899) 87.089,29.372 cw(c87.089,28.899) 87.562,28.899 87.562,25.784 ccw(c87.689,25.784) 87.689,25.656 103.113,25.656 ccw(c103.14,25.781) 103.267,25.781 103.267,29.463 ccw(c103.14,29.463) 103.266,29.485 ; 80.994,30.746 cw(c81.841,30.73) 80.994,30.748 80.994,30.746 ; 80.994,30.746 80.994,37.001 cw(c81.115,37.042) 80.988,37.042 cw(c81.75,37.042) 81.75,37.805 82.918,37.805 cw(c82.969,37.688) 82.967,37.815 ccw(c82.956,38.323) 83.464,38.323 83.464,49.189 cw(c83.591,49.189) 83.474,49.239 ccw(c82.969,49.189) 82.992,49.696 ; 81.041,68.562 ccw(c81.166,68.539) 81.038,68.539 81.038,50.446 ccw(c81.793,50.446) 81.793,49.692 ccw(c81.793,49.819) 81.804,49.693 ; 81.041,68.562 81.041,68.562 ; 81.804,49.693 ccw(c81.805,49.82) 81.805,49.693 82.962,49.693 ccw(c82.962,49.82) 82.992,49.696 ; 81.804,49.693 81.804,49.693 ; 82.992,49.696 82.992,49.696 ; 103.266,29.485 ccw(c103.139,29.499) 103.266,29.499 cw(c103.639,29.499) 103.639,29.872 104.837,29.872 ; 103.266,29.485 103.266,29.485 ; 104.837,29.872 ccw(c104.854,30.719) 105.701,30.701 ccw(c105.573,30.703) 105.701,30.703 105.701,54.895 ccw(c105.573,54.895) 105.663,54.985 105.664,54.985 105.064,55.584 ; 104.837,29.872 cw(c104.854,30.719) 104.836,29.872 104.837,29.872 ; 105.064,55.584 ccw(c104.973,55.495) 105.063,55.585 ; 105.064,55.584 105.063,55.585 ; 105.063,55.585 ccw(c104.973,55.495) 105.063,55.585